# Altium PCB 19_2_Coupled_PP0.PcbDoc (part 3 of 5) (continued)
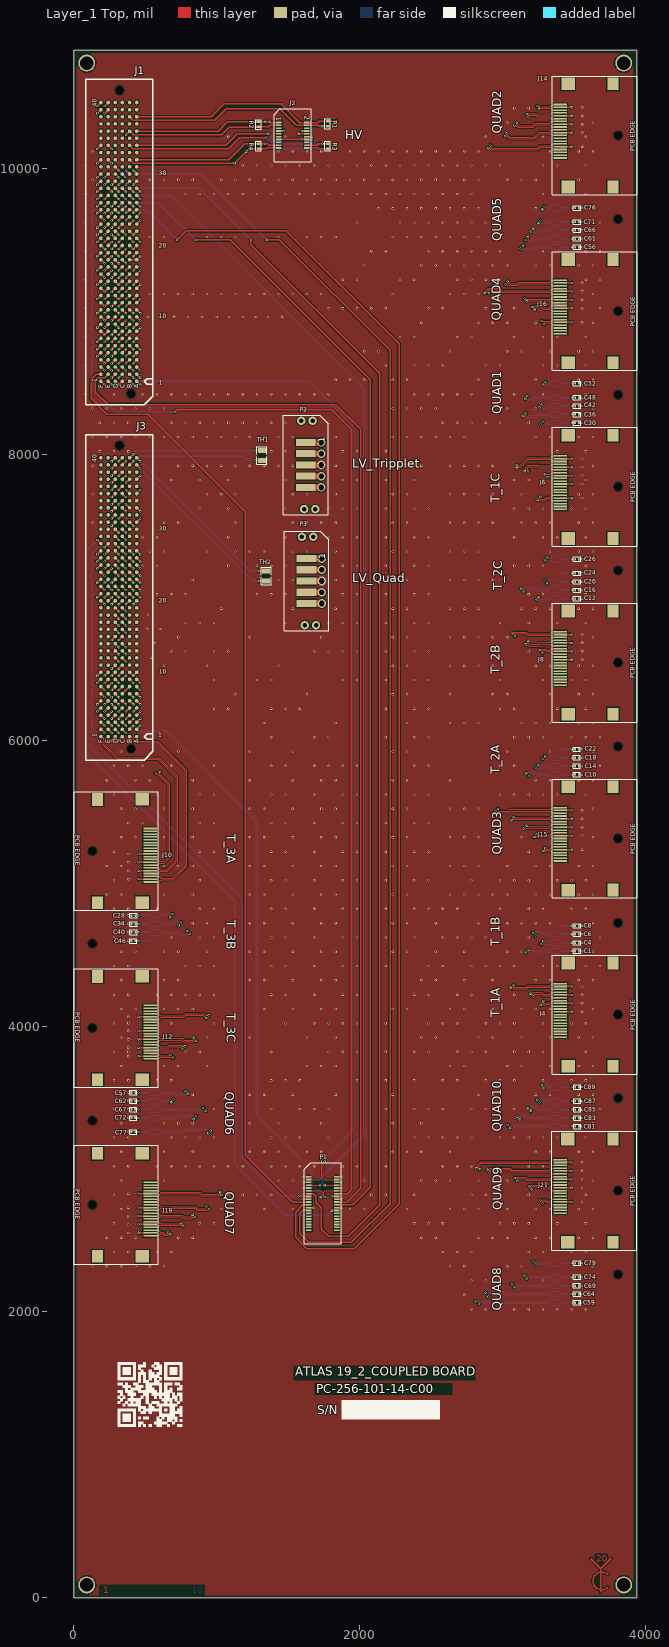
[diagram p0: Layer_1 Top view]
## Nets (pads, with @x,y where several pads share a name; then routed paths per layer and width w, separated by ;. In a path a pad name is that pad's centre, name@x,y a point inside that pad or via, vN(x,y) a via of type N, cw(c..) or ccw(c..) an arc to the next point about the centre after c; other vN are vias at no path point) (continued)
  Layer_10 Bottom w6: v2(3248,9616.07) 3276.23,9616.07 3280,9619.84 3334.47,9619.84 3348.66,9605.65 J17.10@3402.71,9605.65
Q_26_n: J3.F21 J18.3 | length 4854
  Layer_1 Top w10: v2(165,7000) J3.F21@190,7025
  Layer_5  Signal inner 2 w6: v2(165,7000) 177.96,7000 181.48,7003.51 181.48,7019.32 193.68,7031.52 545.45,7031.52 1436,6140.97 1436,4173.68 798.51,3536.19 798.51,3527.18 v2(797,3525.67)
  Layer_10 Bottom w6: J18.3@534.65,3515.48 595.81,3515.48 610,3529.67 703.15,3529.67 715.15,3517.67 779.28,3517.67 786.12,3524.51 795.84,3524.51 v2(797,3525.67)
Q_26_p: J3.E21 J18.1 | length 4798.8
  Layer_1 Top w10: v2(215,7000) J3.E21@240,7025
  Layer_5  Signal inner 2 w6: v2(215,7000) 199.51,7000 193.48,7006.04 193.48,7014.35 198.65,7019.52 540.48,7019.52 1424,6136 1424,4178.65 791.53,3546.18 782.51,3546.18 v2(781,3544.67)
  Layer_10 Bottom w6: J18.1@534.65,3554.85 595.81,3554.85 610,3540.67 707.7,3540.67 719.7,3528.67 774.72,3528.67 779.84,3533.78 779.84,3543.51 v2(781,3544.67)
Q_27_n: J3.B21 J18.6 | length 4449.6
  Layer_1 Top w10: J3.B21@390,7025 v2(415,7000)
  Layer_5  Signal inner 2 w6: v2(415,7000) 427.96,7000 431.48,6996.49 431.48,6980.68 442.68,6969.48 506.6,6969.48 1350,6126.08 1350,4219.01 664,3533.01 664,3492.52 679.39,3477.14 679.39,3468.12 v2(680.9,3466.61)
  Layer_10 Bottom w6: J18.6@534.65,3456.43 593.81,3456.43 612.39,3475 672.38,3475 680.77,3466.61 v2(680.9,3466.61)
Q_27_p: J3.A21 J18.4 | length 4450.2
  Layer_1 Top w10: J3.A21@440,7025 v2(465,7000)
  Layer_5  Signal inner 2 w6: v2(465,7000) 449.51,7000 443.48,6993.96 443.48,6985.65 447.65,6981.48 511.57,6981.48 1362,6131.05 1362,4214.04 676,3528.04 676,3497.5 686.37,3487.12 695.39,3487.12 v2(696.9,3485.61)
  Layer_10 Bottom w6: J18.4@534.65,3495.8 597.63,3495.8 607.42,3486 696.51,3486 v2(696.9,3485.61)
Q_28_n: J3.F23 J18.9 | length 5305
  Layer_1 Top w10: v2(165,7100) J3.F23@190,7125
  Layer_5  Signal inner 2 w6: v2(165,7100) 177.96,7100 181.48,7103.51 181.48,7119.32 193.68,7131.52 635.45,7131.52 1576,6190.97 1576,4072.51 922.26,3418.78 922.26,3409.26 v2(921,3408)
  Layer_10 Bottom w6: J18.9@534.65,3397.37 595.17,3397.37 607.8,3410 912.49,3410 912.57,3409.91 919.09,3409.91 v2(921,3408)
Q_28_p: J3.E23 J18.7 | length 5243.3
  Layer_1 Top w10: v2(215,7100) J3.E23@240,7125
  Layer_5  Signal inner 2 w6: v2(215,7100) 199.51,7100 193.48,7106.04 193.48,7114.35 198.65,7119.52 630.48,7119.52 1564,6186 1564,4077.49 914.78,3428.26 905.26,3428.26 v2(904,3427)
  Layer_10 Bottom w6: J18.7@534.65,3436.74 592.74,3436.74 608.48,3421 895.49,3421 901.49,3427 v2(904,3427)
Q_29_n: J3.B23 J18.12 | length 4933.3
  Layer_1 Top w10: J3.B23@390,7125 v2(415,7100)
  Layer_5  Signal inner 2 w6: v2(415,7100) 427.96,7100 431.48,7096.49 431.48,7080.68 442.68,7069.48 573.55,7069.48 1499,6144.03 1499,4124 826.09,3451.09 826.09,3370.43 837.49,3359.03 837.49,3350.01 v2(839,3348.5)
  Layer_10 Bottom w6: J18.12@534.65,3338.31 593.24,3338.31 607.46,3352.54 715.15,3352.54 729.07,3366.46 830.76,3366.46 837.84,3359.38 837.84,3349.66 v2(839,3348.5)
Q_29_p: J3.A23 J18.10 | length 4931.8
  Layer_1 Top w10: J3.A23@440,7125 v2(465,7100)
  Layer_5  Signal inner 2 w6: v2(465,7100) 449.51,7100 443.48,7093.96 443.48,7085.65 447.65,7081.48 578.52,7081.48 1511,6149 1511,4119.03 838.09,3446.12 838.09,3375.4 844.47,3369.01 853.49,3369.01 v2(855,3367.5)
  Layer_10 Bottom w6: J18.10@534.65,3377.69 593.38,3377.69 607.52,3363.54 710.59,3363.54 724.51,3377.46 835.32,3377.46 844.12,3368.66 853.84,3368.66 v2(855,3367.5)
Q_31_n: J3.D2 J19.3 | length 4415.4
  Layer_1 Top w6: J19.3@534.65,2572.68 593.81,2572.68 607.8,2558.7 625.41,2558.7 637.61,2546.5 652.72,2546.5 657.84,2551.62 657.84,2561.34 v2(659,2562.5)
  Layer_1 Top w10: J3.D2@290,6075 v2(315,6050)
  Layer_3 Signal inner 1 w6: v2(315,6050) 316.52,6048.48 330.49,6048.48 334,6044.96 334,6033.1 354.1,6013 852,6013 1018,5847 1018,3213 696,2891 696,2590.49 669.53,2564.01 660.51,2564.01 v2(659,2562.5)
Q_31_p: J3.C2 J19.1 | length 4434.6
  Layer_1 Top w6: J19.1@534.65,2533.31 593.24,2533.31 607.63,2547.7 620.85,2547.7 633.05,2535.5 657.28,2535.5 664.12,2542.34 673.84,2542.34 v2(675,2543.5)
  Layer_1 Top w10: J3.C2@340,6075 v2(365,6050)
  Layer_3 Signal inner 1 w6: v2(365,6050) 363.48,6048.48 349.51,6048.48 346,6044.96 346,6038.07 359.07,6025 856.97,6025 1030,5851.97 1030,3208.03 708,2886.03 708,2585.51 676.51,2554.03 676.51,2545.01 v2(675,2543.5)
Q_32_n: J3.D4 J19.6 | length 4605.8
  Layer_1 Top w6: J19.6@534.65,2631.74 593.24,2631.74 608.48,2616.5 744.15,2616.5 749.21,2621.56 v2(751.91,2621.56)
  Layer_1 Top w10: v2(265,6150) J3.D4@290,6175
  Layer_3 Signal inner 1 w6: v2(265,6150) 280.49,6150 284,6146.49 284,6135.51 299.51,6120 853.03,6120 1085,5888.03 1085,3175 772.91,2862.91 772.91,2633.44 762.49,2623.02 753.37,2623.02 v2(751.91,2621.56)
Q_32_p: J3.C4 J19.4 | length 4632
  Layer_1 Top w6: J19.4@534.65,2592.37 591.37,2592.37 604.5,2605.5 759.4,2605.5 760.43,2604.47 766,2604.47 v2(767.91,2602.56)
  Layer_1 Top w10: v2(315,6150) J3.C4@340,6175
  Layer_3 Signal inner 1 w6: v2(315,6150) 299.51,6150 296,6146.49 296,6140.49 304.49,6132 858,6132 1097,5893 1097,3170.03 784.91,2857.94 784.91,2628.47 769.48,2613.03 769.48,2604.12 v2(767.91,2602.56)
Q_33_n: J3.D6 J19.9 | length 4701.2
  Layer_1 Top w6: J19.9@534.65,2690.8 591.37,2690.8 605.56,2676.61 760.06,2676.61 771.63,2665.04 824.71,2665.04 830.05,2670.38 830.05,2679.58 v2(831.47,2681)
  Layer_1 Top w10: J3.D6@290,6275 v2(315,6250)
  Layer_3 Signal inner 1 w6: v2(315,6250) 330.49,6250 334,6246.49 334,6236.54 352.77,6217.78 854.07,6217.78 1140,5931.84 1140,3135.51 866,2861.51 866,2706.75 841.88,2682.63 833.1,2682.63 v2(831.47,2681)
Q_33_p: J3.C6 J19.7 | length 4723.1
  Layer_1 Top w6: J19.7@534.65,2651.43 591.37,2651.43 605.56,2665.61 755.5,2665.61 770.23,2650.88 826.11,2650.88 837.09,2661.87 846.87,2661.87 v2(848,2663)
  Layer_1 Top w10: J3.C6@340,6275 v2(365,6250)
  Layer_3 Signal inner 1 w6: v2(365,6250) 349.51,6250 346,6246.49 346,6241.51 357.74,6229.78 859.04,6229.78 1152,5936.81 1152,3130.54 878,2856.54 878,2701.78 849.63,2673.41 849.63,2664.63 v2(848,2663)
Q_34_n: J3.D8 J19.12 | length 4889
  Layer_1 Top w6: J19.12@534.65,2749.85 593.24,2749.85 607.42,2735.67 852.56,2735.67 864.56,2723.67 921.95,2723.67 927.2,2728.91 927.2,2738.38 v2(928.49,2739.67)
  Layer_1 Top w10: v2(265,6350) J3.D8@290,6375
  Layer_3 Signal inner 1 w6: v2(265,6350) 280.49,6350 284,6346.49 284,6336.54 300.54,6320 836.49,6320 1198,5958.49 1198,3102.51 950,2854.51 950,2752.08 939.06,2741.13 929.95,2741.13 v2(928.49,2739.67)
Q_34_p: J3.C8 J19.10 | length 4908.1
  Layer_1 Top w6: J19.10@534.65,2710.48 593.24,2710.48 607.42,2724.67 848,2724.67 860,2712.67 926.51,2712.67 933.9,2720.06 944.39,2720.06 v2@945,2720.67
  Layer_1 Top w10: v2(315,6350) J3.C8@340,6375
  Layer_3 Signal inner 1 w6: v2(315,6350) 299.51,6350 296,6346.49 296,6341.51 305.51,6332 841.46,6332 1210,5963.46 1210,3097.54 962,2849.54 962,2747.1 946.47,2731.57 946.47,2722.47 v2(945,2721)
Q_36_n: J3.D12 J20.3 | length 6289.6
  Layer_1 Top w10: J3.D12@290,6575 v2(315,6550)
  Layer_7 Signal inner 3 w6: v2(315,6550) 330.49,6550 334,6546.49 334,6536.54 352.54,6518 555.49,6518 1350,5723.49 1350,3788.59 2831.61,2306.97 2831.61,2086.2 2821.23,2075.81 v2@2809.19,2075.81
  Layer_10 Bottom w6: v2@2816.4,2076.45 2976,2076.45 2980.83,2071.62 3330.03,2071.62 3344.5,2086.08 J20.3@3401.71,2086.08
  other v2: 2809.17,2075.83
Q_36_p: J3.C12 J20.1 | length 6281
  Layer_1 Top w10: J3.C12@340,6575 v2(365,6550)
  Layer_7 Signal inner 3 w6: v2(365,6550) 349.51,6550 346,6546.49 346,6541.51 357.51,6530 560.46,6530 1362,5728.46 1362,3793.56 2843.61,2311.94 2843.61,2081.23 2833.32,2070.93 2833.32,2059.13 v2(2835,2057.45)
  Layer_10 Bottom w6: v2(2835,2057.45) 2835.51,2057.45 2843.51,2065.45 2971.44,2065.45 2976.28,2060.62 3329.8,2060.62 3343.7,2046.71 J20.1@3401.71,2046.71
Q_37_n: J3.D14 J20.6 | length 6374.6
  Layer_1 Top w10: J3.D14@290,6675 v2(315,6650)
  Layer_7 Signal inner 3 w6: v2(315,6650) 330.49,6650 334,6646.49 334,6636.54 351.54,6619 631,6619 1424,5826 1424,3842.06 2931,2335.06 2931,2170.24 2894.26,2133.5 2881.5,2133.5 v2(2880,2135)
  Layer_10 Bottom w6: v2(2880,2135) 2881.5,2133.5 2894.15,2133.5 2903.96,2143.31 3006.05,2143.31 3017.05,2132.31 3328.35,2132.31 3341.19,2145.14 J20.6@3401.71,2145.14
Q_37_p: J3.C14 J20.4 | length 6381.5
  Layer_1 Top w10: J3.C14@340,6675 v2(365,6650)
  Layer_7 Signal inner 3 w6: v2(365,6650) 349.51,6650 346,6646.49 346,6641.51 356.51,6631 635.97,6631 1436,5830.97 1436,3847.03 2943,2340.03 2943,2165.27 2901.5,2123.77 2901.5,2110.5 v2(2900,2109)
  Layer_10 Bottom w6: v2(2900,2109) 2901.5,2110.5 2901.5,2125.29 2908.51,2132.31 3001.49,2132.31 3012.49,2121.31 3329.48,2121.31 3345.02,2105.77 J20.4@3401.71,2105.77
Q_38_n: J3.D16 J20.9 | length 6270.7
  Layer_1 Top w10: J3.D16@290,6775 v2(315,6750)
  Layer_7 Signal inner 3 w6: v2(315,6750) 330.49,6750 334,6746.49 334,6736.54 351.54,6719 618.37,6719 1499,5838.37 1499,3882.06 3094.91,2286.15 3094.91,2213.9 3076.03,2195.01 3066.01,2195.01 v2(3065,2194)
  Layer_10 Bottom w6: v2(3065,2194) 3067.71,2194 3071.71,2190 3328.41,2190 3342.6,2204.19 J20.9@3401.71,2204.19
Q_38_p: J3.C16 J20.7 | length 6266.2
  Layer_1 Top w10: J3.C16@340,6775 v2(365,6750)
  Layer_7 Signal inner 3 w6: v2(365,6750) 349.51,6750 346,6746.49 346,6741.51 356.51,6731 623.34,6731 1511,5843.34 1511,3887.03 3106.91,2291.12 3106.91,2208.93 3083.01,2185.03 3083.01,2175.01 v2(3082,2174)
  Layer_10 Bottom w6: v2(3082,2174) 3084.71,2174 3089.71,2179 3328.43,2179 3342.6,2164.82 J20.7@3401.71,2164.82
Q_39_n: J3.D18 J20.12 | length 6274.9
  Layer_1 Top w10: J3.D18@290,6875 v2(315,6850)
  Layer_7 Signal inner 3 w6: v2(315,6850) 330.49,6850 334,6846.49 334,6836.54 351.54,6819 657.08,6819 1564,5912.08 1564,3929.03 3175,2318.03 3175,2266.02 3163.54,2254.56 3154.5,2254.56 v2(3153,2253.06)
  Layer_10 Bottom w6: v2(3153,2253.06) 3154.91,2251.15 3160.36,2251.15 3161.51,2250 3329.94,2250 3343.19,2263.25 J20.12@3401.71,2263.25
Q_39_p: J3.C18 J20.10 | length 6272.6
  Layer_1 Top w10: J3.C18@340,6875 v2(365,6850)
  Layer_7 Signal inner 3 w6: v2(365,6850) 349.51,6850 346,6846.49 346,6841.51 356.51,6831 662.05,6831 1576,5917.05 1576,3934 3187,2323 3187,2261.05 3170.5,2244.54 3170.5,2235.5 v2(3169,2234)
  Layer_10 Bottom w6: v2(3169,2234) 3171.71,2234 3176.71,2239 3331.1,2239 3346.22,2223.88 J20.10@3401.71,2223.88
Q_41_n: J3.D22 J21.3 | length 5945.9
  Layer_1 Top w6: v2(2840,3000) 2840,3002.18 2833.66,3008.51 2833.66,3023.66 2850,3040 3330.4,3040 3344.26,3026.14 J21.3@3401.71,3026.14
  Layer_1 Top w10: J3.D22@290,7075 v2(315,7050)
  Layer_3 Signal inner 1 w6: v2(315,7050) 315.94,7050.94 326.1,7050.94 334,7058.84 334,7071.46 344.54,7082 579.97,7082 2019,5642.97 2019,3851 2834.15,3035.85 2834.15,3008.51 2840,3002.67 v2(2840,3000)
Q_41_p: J3.C22 J21.1 | length 5915.8
  Layer_1 Top w6: v2(2815,3005) 2815,3005.85 2822.66,3013.51 2822.66,3028.22 2845.44,3051 3331.01,3051 3345.46,3065.46 3401.65,3065.46 J21.1@3401.71,3065.51
  Layer_1 Top w10: J3.C22@340,7075 v2(365,7050)
  Layer_3 Signal inner 1 w6: v2(365,7050) 364.06,7050.94 353.9,7050.94 346,7058.84 346,7066.49 349.51,7070 575,7070 2007,5638 2007,3846.03 2822.15,3030.88 2822.15,3013.51 2815,3006.36 v2(2815,3005)
Q_42_n: J3.D24 J21.6 | length 6028
  Layer_1 Top w6: v2(2909.46,2976.23) 2909.81,2976.59 2909.81,2987.92 2918,2996.11 3049.1,2996.11 3063.58,2981.64 3328.64,2981.64 3343.19,2967.09 J21.6@3401.71,2967.09
  Layer_1 Top w10: J3.D24@290,7175 v2(315,7150)
  Layer_3 Signal inner 1 w6: v2(315,7150) 330.49,7150 334,7153.51 334,7163.46 352.04,7181.5 585.47,7181.5 2072,5694.97 2072,3898 2929.11,3040.89 2929.11,3006.51 2910.17,2987.57 2910.17,2976.94 v2(2909.46,2976.23)
Q_42_p: J3.C24 J21.4 | length 5985
  Layer_1 Top w6: v2(2891.11,2996.11) 2891.47,2996.47 2902.8,2996.47 2913.45,3007.11 3053.66,3007.11 3068.14,2992.64 3328.12,2992.64 3341.94,3006.46 J21.4@3401.71,3006.46
  Layer_1 Top w10: J3.C24@340,7175 v2(365,7150)
  Layer_3 Signal inner 1 w6: v2(365,7150) 349.51,7150 346,7153.51 346,7158.49 357.01,7169.5 580.5,7169.5 2060,5690 2060,3893.03 2917.11,3035.92 2917.11,3011.49 2902.45,2996.82 2891.82,2996.82 v2(2891.11,2996.11)
Q_43_n: J3.D26 J21.9 | length 6073.1
  Layer_1 Top w6: v2(3102,2917) 3102.4,2917.4 3102.4,2928.64 3106.77,2933 3155.35,2933 3165.75,2922.6 3331.71,2922.6 3345.46,2908.85 3400.89,2908.85 J21.9@3401.71,2908.03
  Layer_1 Top w10: J3.D26@290,7275 v2(315,7250)
  Layer_3 Signal inner 1 w6: v2(315,7250) 315.94,7250.94 330.49,7250.94 334,7254.46 334,7264.4 351.6,7282 599.97,7282 2137,5744.97 2137,3946.09 3113,2970.09 3113,2938.62 3102.71,2928.33 3102.71,2917.71 v2(3102,2917)
Q_43_p: J3.C26 J21.7 | length 6029.2
  Layer_1 Top w6: v2(3084,2937.22) 3084.31,2937.52 3095.74,2937.52 3102.21,2944 3159.91,2944 3170.3,2933.6 3331.39,2933.6 3345.19,2947.4 J21.7@3401.71,2947.4
  Layer_1 Top w10: J3.C26@340,7275 v2(365,7250)
  Layer_3 Signal inner 1 w6: v2(365,7250) 364.06,7250.94 349.51,7250.94 346,7254.46 346,7259.43 356.57,7270 595,7270 2125,5740 2125,3941.12 3101,2965.12 3101,2943.59 3095.33,2937.93 3084.71,2937.93 v2(3084,2937.22)
Q_44_n: J3.D28 J21.12 | length 6187
  Layer_1 Top w6: v2(3201,2859) 3202.38,2860.38 3202.38,2869.66 3207.67,2874.95 3260.81,2874.95 3272.61,2863.16 3328.41,2863.16 3342.6,2848.98 J21.12@3401.71,2848.98
  Layer_1 Top w10: J3.D28@290,7375 v2(315,7350)
  Layer_3 Signal inner 1 w6: v2(315,7350) 330.49,7350 334,7353.51 334,7363.46 350.54,7380 616.97,7380 2212,5784.97 2212,3958 3221,2949 3221,2888.1 3202.47,2869.57 3202.47,2860.47 v2(3201,2859)
Q_44_p: J3.C28 J21.10 | length 6142.2
  Layer_1 Top w6: v2(3185,2878.16) 3185.86,2879.02 3196.18,2879.02 3203.12,2885.95 3265.37,2885.95 3277.16,2874.16 3328.42,2874.16 3342.6,2888.35 J21.10@3401.71,2888.35
  Layer_1 Top w10: J3.C28@340,7375 v2(365,7350)
  Layer_3 Signal inner 1 w6: v2(365,7350) 349.51,7350 346,7353.51 346,7358.49 355.51,7368 612,7368 2200,5780 2200,3953.03 3209,2944.03 3209,2893.07 3195.57,2879.63 3186.47,2879.63 v2(3185,2878.16)
Q_46_n: J3.D32 J22.3 | length 5978.6
  Layer_1 Top w10: v2(265,7550) J3.D32@290,7575
  Layer_5  Signal inner 2 w6: v2(265,7550) 277.96,7550 281.48,7546.49 281.48,7530.68 292.68,7519.48 553.55,7519.48 758,7315.03 758,7217 2007,5968 2007,4402.91 3051.69,3358.22 3051.69,3314.14 3046.45,3308.9 3036.96,3308.9 v2(3035.69,3307.63)
  Layer_10 Bottom w6: v2(3035.69,3307.63) 3037.6,3305.71 3043.49,3305.71 3044.2,3305 3332.21,3305 3345.02,3317.81 J22.3@3403.28,3317.81
Q_46_p: J3.C32 J22.1 | length 5977.8
  Layer_1 Top w10: v2(315,7550) J3.C32@340,7575
  Layer_5  Signal inner 2 w6: v2(315,7550) 299.51,7550 293.48,7543.96 293.48,7535.65 297.65,7531.48 558.52,7531.48 770,7320 770,7221.97 2019,5972.97 2019,4407.88 3063.69,3363.19 3063.69,3309.17 3054.28,3299.76 3054.28,3290.28 v2(3053,3289)
  Layer_10 Bottom w6: v2(3053,3289) 3055.71,3289 3060.71,3294 3330.72,3294 3346.28,3278.44 J22.1@3403.28,3278.44
Q_47_n: J3.D34 J22.6 | length 6013.3
  Layer_1 Top w10: v2(265,7650) J3.D34@290,7675
  Layer_5  Signal inner 2 w6: v2(265,7650) 277.96,7650 281.48,7646.49 281.48,7630.68 292.68,7619.48 588.6,7619.48 826,7382.08 826,7247.03 2060,6013.03 2060,4489.26 3118,3431.26 3118,3372.83 3112.95,3367.77 3103.09,3367.77 v2(3102,3366.68)
  Layer_10 Bottom w6: v2(3102,3366.68) 3102.74,3367.42 3113.3,3367.42 3124.88,3379 3163.11,3379 3180.11,3362 3330.15,3362 3345.02,3376.87 J22.6@3403.28,3376.87
Q_47_p: J3.C34 J22.4 | length 6018.1
  Layer_1 Top w10: v2(315,7650) J3.C34@340,7675
  Layer_5  Signal inner 2 w6: v2(315,7650) 299.51,7650 293.48,7643.96 293.48,7635.65 297.65,7631.48 593.58,7631.48 838,7387.05 838,7252 2072,6018 2072,4494.23 3130,3436.23 3130,3367.86 3121.09,3358.95 3121.09,3349.09 v2(3120,3348)
  Layer_10 Bottom w6: v2(3120,3348) 3120.74,3348.74 3120.74,3359.3 3129.44,3368 3158.55,3368 3175.55,3351 3332.78,3351 3346.28,3337.5 J22.4@3403.28,3337.5
Q_48_n: J3.D36 J22.9 | length 6022.4
  Layer_1 Top w10: v2(265,7750) J3.D36@290,7775
  Layer_5  Signal inner 2 w6: v2(265,7750) 277.96,7750 281.48,7746.49 281.48,7730.68 292.68,7719.48 604.46,7719.48 892,7431.94 892,7271.94 2125,6038.94 2125,4529.94 3192,3462.94 3192,3430.35 3187.84,3426.2 3176.2,3426.2 v2(3176,3426)
  Layer_10 Bottom w6: v2(3176,3426) 3176.16,3425.84 3188.2,3425.84 3202.35,3440 3237.3,3440 3255.98,3421.32 3332.65,3421.32 3347.03,3435.7 3403.05,3435.7 J22.9@3403.28,3435.92
Q_48_p: J3.C36 J22.7 | length 6024
  Layer_1 Top w10: v2(315,7750) J3.C36@340,7775
  Layer_5  Signal inner 2 w6: v2(315,7750) 299.51,7750 293.48,7743.96 293.48,7735.65 297.65,7731.48 609.43,7731.48 904,7436.91 904,7276.91 2137,6043.91 2137,4534.91 3204,3467.91 3204,3425.38 3197.2,3418.58 3197.2,3406.93 v2(3197,3406.74)
  Layer_10 Bottom w6: v2(3197,3406.74) 3196.84,3406.89 3196.84,3418.93 3206.91,3429 3232.74,3429 3251.43,3410.32 3332.24,3410.32 3346.01,3396.55 J22.7@3403.28,3396.55
Q_49_n: J3.D38 J22.12 | length 6029.6
  Layer_1 Top w10: v2(265,7850) J3.D38@290,7875
  Layer_5  Signal inner 2 w6: v2(265,7850) 277.96,7850.02 281.48,7846.51 281.48,7830.68 292.68,7819.48 623.55,7819.48 962,7481.03 962,7278 2200,6040 2200,4579.66 3256,3523.66 3256,3490.99 3251.03,3486.01 3241.01,3486.01 v2(3240,3485)
  Layer_10 Bottom w6: v2(3240,3485) 3240.66,3485.66 3251.38,3485.66 3258.72,3493 3290.64,3493 3301.55,3482.09 3329.72,3482.09 3342.6,3494.98 J22.12@3403.28,3494.98
Q_49_p: J3.C38 J22.10 | length 6036.5
  Layer_1 Top w10: v2(314.96,7850.04) J3.C38@339.96,7875.04
  Layer_5  Signal inner 2 w6: v2(314.96,7850.04) 299.49,7850.02 293.48,7844.01 293.48,7835.65 297.65,7831.48 628.52,7831.48 974,7486 974,7282.97 2212,6044.97 2212,4584.63 3268,3528.63 3268,3486.01 3259.01,3477.03 3259.01,3467.01 v2(3258,3466)
  Layer_10 Bottom w6: v2(3258,3466) 3258.66,3466.66 3258.66,3477.38 3263.28,3482 3286.08,3482 3296.99,3471.09 3330.79,3471.09 3346.28,3455.61 J22.10@3403.28,3455.61
T_1_n: J1.B1 J4.3 | length 6449.1
  Layer_1 Top w6: v2@3057,4267.33 3057.74,4266.59 3068.63,4266.59 3075.89,4259.33 3171.75,4259.33 3183.75,4271.33 3330.83,4271.33 3345.02,4257.14 J4.3@3402.71,4257.14
  Layer_1 Top w10: J1.B1@390,8510 v2(415,8485)
  Layer_3 Signal inner 1 w6: v2(415,8485) 430.49,8485 434,8481.49 434,8463.66 444.54,8453.12 1694.91,8453.12 2425,7723.03 2425,4909.51 3056.24,4278.28 3056.24,4267.76 v2(3057,4267)
T_1_p: J1.A1 J4.1 | length 6429.9
  Layer_1 Top w6: v2(3075.67,4286.33) 3076.08,4285.92 3076.08,4274.69 3080.44,4270.33 3167.19,4270.33 3179.19,4282.33 3330.83,4282.33 3345.02,4296.51 J4.1@3402.71,4296.51
  Layer_1 Top w10: J1.A1@440,8510 v2(465,8485)
  Layer_3 Signal inner 1 w6: v2(465,8485) 449.51,8485 446,8481.49 446,8468.63 449.51,8465.12 1699.88,8465.12 2437,7728 2437,4914.49 3064.4,4287.09 3074.91,4287.09 v2(3075.67,4286.33)
T_2_n: J1.F1 J4.6 | length 6741.7
  Layer_1 Top w6: v2(3215,4208) 3215.66,4208.66 3215.66,4219.38 3220.28,4224 3269.16,4224 3281.11,4212.05 3332.32,4212.05 3346.28,4198.09 J4.6@3402.71,4198.09
  Layer_1 Top w10: J1.F1@190,8510 v2(215,8485)
  Layer_3 Signal inner 1 w6: v2(215,8485) 230.49,8485 234,8488.51 234,8498.46 252.04,8516.5 1778.5,8516.5 2523,7772 2523,4953.97 3226,4250.97 3226,4228.91 3216.07,4218.98 3216.07,4209.07 v2(3215,4208)
T_2_p: J1.E1 J4.4 | length 6699.9
  Layer_1 Top w6: v2(3197,4227) 3197.66,4227.66 3208.38,4227.66 3215.72,4235 3273.71,4235 3285.66,4223.05 3332.63,4223.05 3346.46,4236.88 3402.14,4236.88 J4.4@3402.71,4237.46
  Layer_1 Top w10: J1.E1@240,8510 v2(265,8485)
  Layer_3 Signal inner 1 w6: v2(265,8485) 249.51,8485 246,8488.51 246,8493.49 257.01,8504.5 1773.53,8504.5 2511,7767.03 2511,4949 3214,4246 3214,4233.88 3208.08,4227.96 3197.96,4227.96 v2(3197,4227)
T_3_n: J1.B3 J4.9 | length 6615.7
  Layer_1 Top w6: v2(3266,4149.22) 3267.77,4150.99 3279.49,4150.99 3283.14,4147.34 3307.48,4147.34 3312.32,4152.18 3333.14,4152.18 3346.28,4139.03 J4.9@3402.71,4139.03
  Layer_1 Top w10: J1.B3@390,8610 v2(415,8585)
  Layer_3 Signal inner 1 w6: v2(415,8585) 430.49,8585 434,8581.49 434,8571.54 450.54,8555 1830,8555 2591,7794 2591,4984 3254.18,4320.82 3254.18,4173.29 3266.11,4161.37 3266.11,4149.33 v2(3266,4149.22)
T_3_p: J1.A3 J4.7 | length 6596.4
  Layer_1 Top w6: v2(3284,4174.34) 3283.87,4174.21 3283.87,4162.16 3287.69,4158.34 3302.93,4158.34 3307.76,4163.18 3334,4163.18 3346.71,4175.89 3400.2,4175.89 J4.7@3402.71,4178.4
  Layer_1 Top w10: J1.A3@440,8610 v2(465,8585)
  Layer_3 Signal inner 1 w6: v2(465,8585) 449.51,8585 446,8581.49 446,8576.51 455.51,8567 1834.97,8567 2603,7798.97 2603,4988.97 3266.18,4325.79 3266.18,4178.26 3271.03,4173.41 3283.07,4173.41 v2(3284,4174.34)
T_4_n: J1.F3 J5.3 | length 6576.1
  Layer_1 Top w10: J1.F3@190,8610 v2(215,8585)
  Layer_3 Signal inner 1 w6: v2(215,8585) 230.49,8585 234,8588.51 234,8598.46 250.54,8615 1891.97,8615 2686,7820.97 2686,5025.72 3172.51,4539.21 3172.74,4539.21 3177.29,4534.65 v2(3180,4534.65)
  Layer_10 Bottom w6: v2(3180,4534.65) 3182.71,4534.65 3187.36,4530 3331.18,4530 3345.02,4543.83 J5.3@3402.28,4543.83
T_4_p: J1.E3 J5.1 | length 6569.7
  Layer_1 Top w10: J1.E3@240,8610 v2(265,8585)
  Layer_3 Signal inner 1 w6: v2(265,8585) 249.51,8585 246,8588.51 246,8593.49 255.51,8603 1887,8603 2674,7816 2674,5020.75 3162,4532.75 v2(3162,4514.65)
  Layer_10 Bottom w6: v2(3162,4514.65) 3164.71,4514.65 3168.34,4518.29 3332.46,4518.29 3346.28,4504.46 J5.1@3402.28,4504.46
T_5_n: J1.B5 J5.6 | length 6487.8
  Layer_1 Top w10: v2(365,8685) J1.B5@390,8710
  Layer_3 Signal inner 1 w6: v2(365,8685) 380.49,8685 384,8688.51 384,8698.46 400.54,8715 1990,8715 2878,7827 2878,5167 3289.42,4755.58 3289.42,4627.25 3268.74,4606.57 3268.74,4599.6 3273.8,4594.54 3283.16,4594.54 v2(3284.5,4593.2)
  Layer_10 Bottom w6: v2(3284.5,4593.2) 3284.81,4593.2 3293.01,4585 3325.92,4585 3343.81,4602.89 J5.6@3402.28,4602.89
T_5_p: J1.A5 J5.4 | length 6469.9
  Layer_1 Top w10: v2(415,8685) J1.A5@440,8710
  Layer_3 Signal inner 1 w6: v2(415,8685) 399.51,8685 396,8688.51 396,8693.49 405.51,8703 1985.03,8703 2866,7822.03 2866,5162.03 3277.42,4750.61 3277.42,4632.22 3256.74,4611.54 3256.74,4594.63 3266.66,4584.7 3266.66,4575.34 v2(3268,4574)
  Layer_10 Bottom w6: v2(3268,4574) 3334.54,4574 3345.02,4563.52 J5.4@3402.28,4563.52
T_6_n: J1.F5 J5.9 | length 6577
  Layer_1 Top w10: v2(165,8685) J1.F5@190,8710
  Layer_3 Signal inner 1 w6: v2(165,8685) 166.52,8683.48 175.52,8683.48 184,8675 184,8665.05 196.16,8652.89 1927.11,8652.89 2763,7817 2763,5140.03 3229,4674.03 3229,4659.99 3223.03,4654.01 3213.01,4654.01 v2(3212,4653)
  Layer_10 Bottom w6: v2(3212,4653) 3212.66,4653.66 3223.38,4653.66 3236.66,4666.94 3268.54,4666.94 3285.82,4649.66 3331.53,4649.66 3343.81,4661.94 J5.9@3402.28,4661.94
T_6_p: J1.E5 J5.7 | length 6583.6
  Layer_1 Top w10: v2(215,8685) J1.E5@240,8710
  Layer_3 Signal inner 1 w6: v2(215,8685) 213.48,8683.48 204.49,8683.48 196,8674.99 196,8670.02 201.13,8664.89 1932.08,8664.89 2775,7821.97 2775,5145 3241,4679 3241,4655.01 3230.01,4644.03 3230.01,4634.01 v2(3229,4633)
  Layer_10 Bottom w6: v2(3229,4633) 3229.66,4633.66 3229.66,4644.38 3241.22,4655.94 3263.98,4655.94 3281.26,4638.66 3333.2,4638.66 3346.78,4625.09 3399.76,4625.09 J5.7@3402.28,4622.57
T_7_n: J1.B7 J6.3 | length 3476.7
  Layer_1 Top w6: v2(3098.35,7901.04) 3100.05,7901.04 3106.86,7907.85 3125.33,7907.85 3180.81,7963.33 3336.67,7963.33 3350.04,7949.96 3401.89,7949.96 J6.3@3402.71,7949.14
  Layer_1 Top w10: v2(365,8785) J1.B7@390,8810
  Layer_3 Signal inner 1 w6: v2(365,8785) 380.49,8785 384,8781.49 384,8771.54 401.97,8753.57 2184.46,8753.57 3031.82,7906.21 3090.47,7906.21 3095.64,7901.04 v2(3098.35,7901.04)
T_7_p: J1.A7 J6.1 | length 3455.9
  Layer_1 Top w6: v2(3098.1,7923.38) 3100.8,7923.38 3105.33,7918.85 3120.77,7918.85 3176.25,7974.33 3334.33,7974.33 3348.51,7988.51 J6.1@3402.71,7988.51
  Layer_1 Top w10: v2(415,8785) J1.A7@440,8810
  Layer_3 Signal inner 1 w6: v2(415,8785) 399.51,8785 396,8781.49 396,8776.51 406.94,8765.57 2189.43,8765.57 3036.79,7918.21 3090.22,7918.21 3095.39,7923.38 v2(3098.1,7923.38)
T_8_n: J1.F7 J6.6 | length 3745.3
  Layer_1 Top w6: v2(3177.24,7881.13) 3177.24,7883.31 3170.9,7889.64 3170.9,7901.04 3182.98,7913.12 3246.72,7913.12 3253.02,7906.82 3331.02,7906.82 3347.75,7890.09 J6.6@3402.71,7890.09
  Layer_1 Top w10: v2(165,8785) J1.F7@190,8810
  Layer_3 Signal inner 1 w6: v2(165,8785) 180.49,8785 184,8788.51 184,8805.96 194.54,8816.5 2248.5,8816.5 2948.49,8116.51 3050.97,8014.03 3075.19,8014.03 3172.12,7917.11 3172.12,7888.95 3177.24,7883.83 v2(3177.24,7881.13)
T_8_p: J1.E7 J6.4 | length 3713.3
  Layer_1 Top w6: v2(3155,7880) 3155,7882.71 3159.9,7887.61 3159.9,7905.6 3178.42,7924.12 3251.28,7924.12 3257.58,7917.82 3335.38,7917.82 3347.02,7929.46 J6.4@3402.71,7929.46
  Layer_1 Top w10: v2(215,8785) J1.E7@240,8810
  Layer_3 Signal inner 1 w6: v2(215,8785) 199.51,8785 196,8788.51 196,8800.99 199.51,8804.5 2243.53,8804.5 3046,8002.03 3070.22,8002.03 3160.12,7912.13 3160.12,7887.83